# EAGLE board Mk4 Final a Panel score 2x5 (EAGLE 9.0.1), part 27 of 29 (continued)
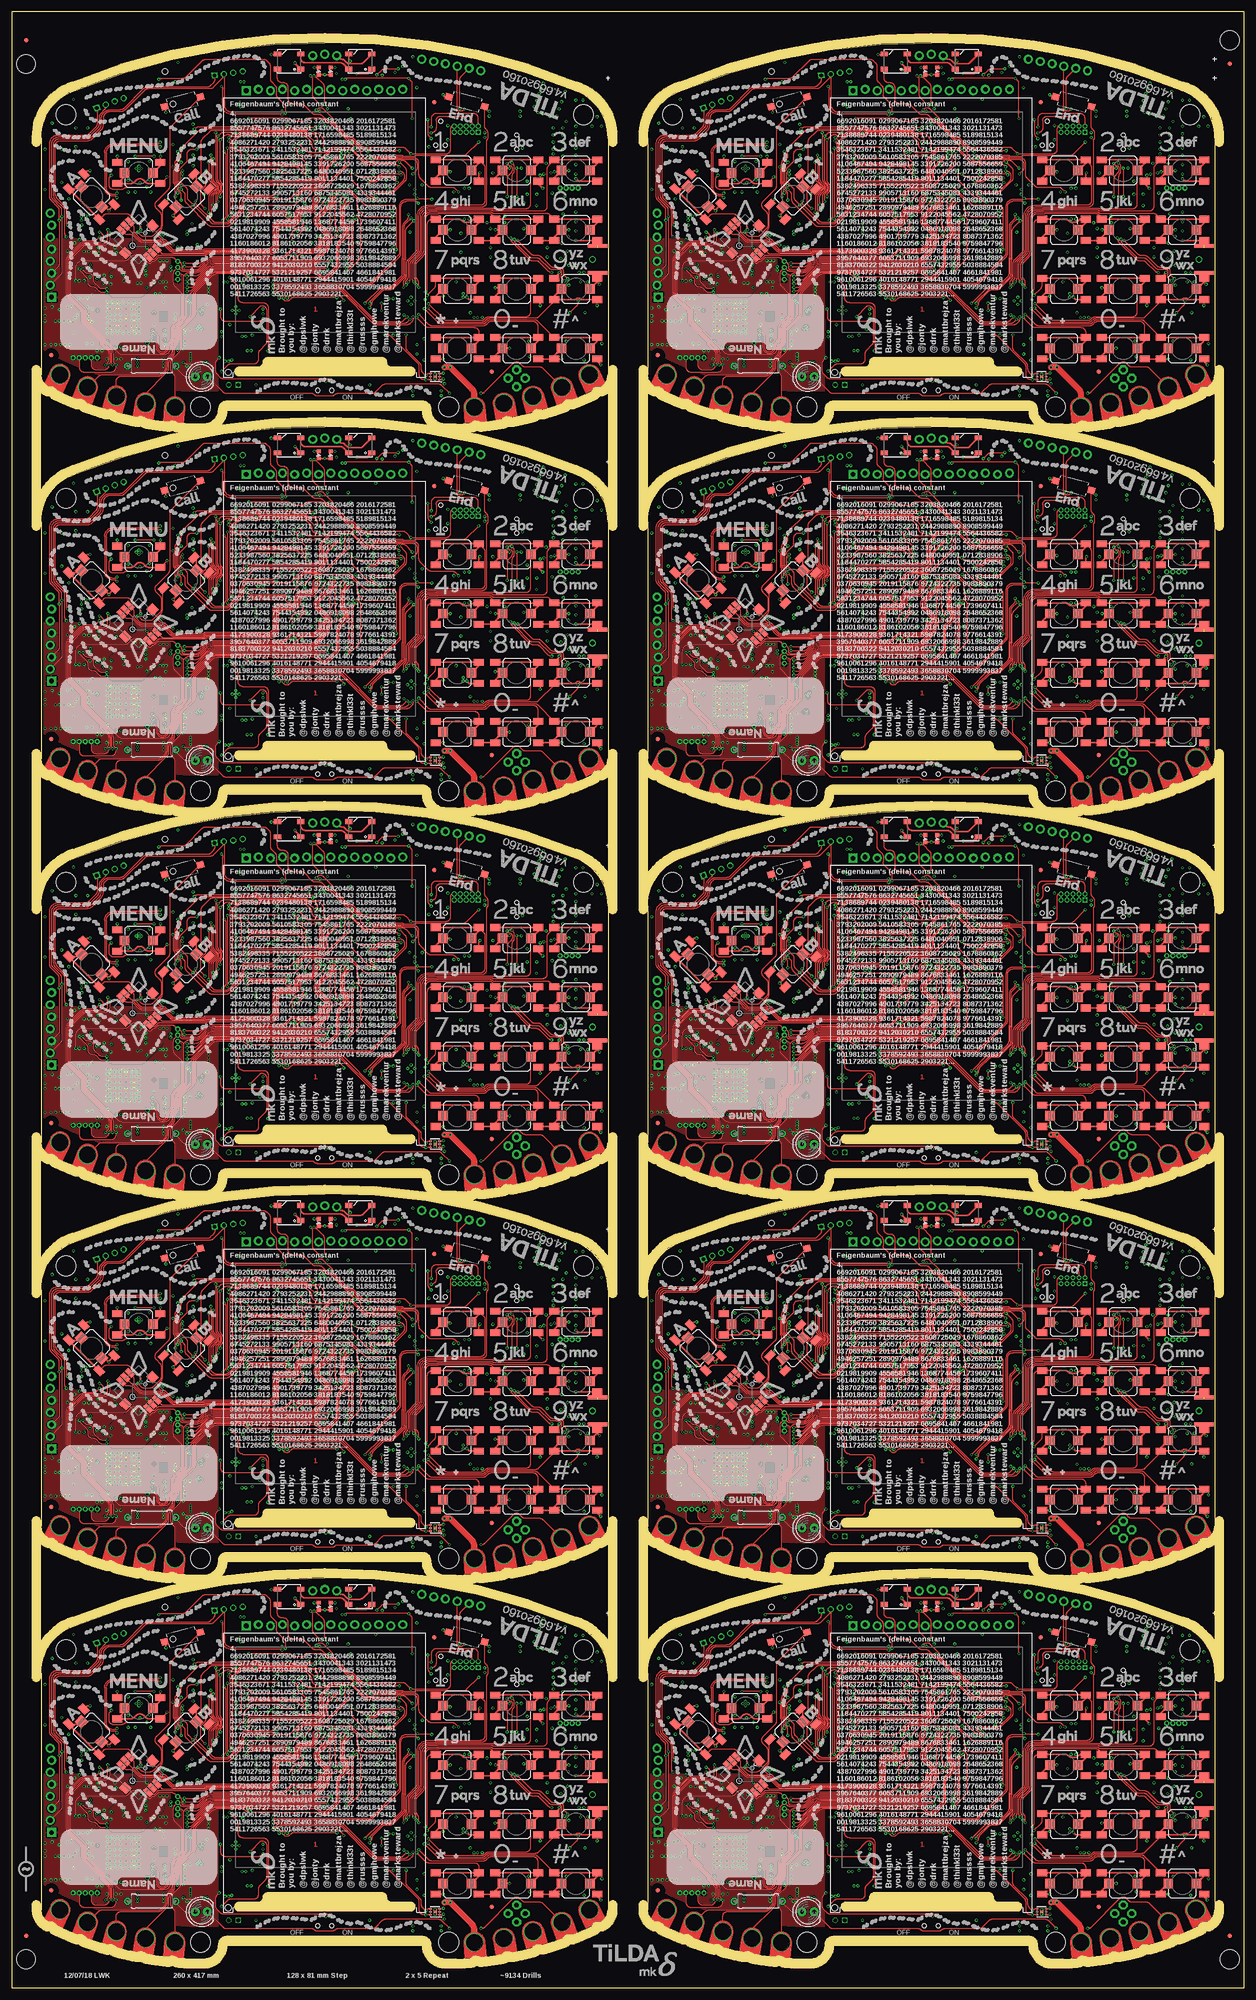
[diagram p0: board, top side]
## Tracks (layer width: path | path; a pad name or v marks a point on that pad's centre or on a via) (continued)
  3V3@2 0.15: v142.7,130.8 v138.55,130.8 | v163.7,124.35 163.7,122.3 164.4,121.6 v164.4,121
  Bottom 0.15: v192.65,126.7 192.73,126.78 arc45 192.88,127.13 192.88,128.22 arc45 192.73,128.57 192.5,128.8 arc-45 192.35,129.16 192.35,130.34 arc-45 192.64,131.04 192.85,131.25 arc45 193,131.61 IC56.19 | v165.2,113.1 165.41,113.31 arc45 165.7,114.01 165.7,118.29 arc45 165.41,118.99 165.09,119.31 arc45 164.39,119.6 164.3,119.6 arc-90 163.8,120.1 163.8,120.5 arc-90 164.3,121 v164.4,121 | v142.7,130.8 142.91,130.59 arc45 143.61,130.3 154.43,130.3 arc-45 155.32,129.93 156.91,128.34 arc45 157.97,127.9 160.95,127.9 arc-90 162.2,126.65 162.2,126.2 arc45 162.36,125.82 163.61,124.56 arc-45 v163.7,124.35
  Bottom 0.3: J36.6 J36.2
UART4_EXT_TX4  (via drill 0.3)
  Top 0.15: PCB4.CH4 18.29,178.11 arc-45 19,178.4 30.86,178.4 arc45 31.57,178.69 32.26,179.38 arc45 32.55,180.09 32.55,180.95 arc-45 33.06,182.19 33.51,182.63 arc45 33.8,183.34 33.8,183.88 arc-45 34.24,184.94 arc45 34.7,186.05 34.7,187.57 arc-45 35.21,188.81 36.39,189.99 arc45 36.9,191.22 36.9,193.39 arc-45 v37.19,194.09 v37.2,194.1 | v64.65,207.7 64.75,207.6 arc-45 64.9,207.24 64.9,206.39 arc-45 64.61,205.68 64.22,205.29 arc-45 63.51,205 59.57,205 arc45 58.68,204.63 57.64,203.59 arc-45 56.94,203.3 42.74,203.3 arc45 40.19,202.3 40.18,202.29 arc-45 39.47,202 v36.4,202
  Top 0.2: J46.2 19.81,235.03 arc-45 19.52,234.32 18.94,233.74 arc45 18.5,232.68 18.5,231.42 arc-45 18.13,230.53 16.57,228.97 arc-45 15.68,228.6 9.9,228.6 arc90 8.4,227.1 8.4,216.06 arc45 8.69,215.36 10.26,213.79 arc-45 10.55,213.09 v10.55,211.8 10.55,200.13 arc-45 10.26,199.42 JP44.2
  3V3@2 0.15: v14.7,211.8 v10.55,211.8 | v35.7,205.35 35.7,203.3 36.4,202.6 v36.4,202
  Bottom 0.15: v64.65,207.7 64.73,207.78 arc45 64.88,208.13 64.88,209.22 arc45 64.73,209.57 64.5,209.8 arc-45 64.35,210.16 64.35,211.34 arc-45 64.64,212.04 64.85,212.25 arc45 65,212.61 IC74.19 | v37.2,194.1 37.41,194.31 arc45 37.7,195.01 37.7,199.29 arc45 37.41,199.99 37.09,200.31 arc45 36.39,200.6 36.3,200.6 arc-90 35.8,201.1 35.8,201.5 arc-90 36.3,202 v36.4,202 | v14.7,211.8 14.91,211.59 arc45 15.61,211.3 26.43,211.3 arc-45 27.32,210.93 28.91,209.34 arc45 29.97,208.9 32.95,208.9 arc-90 34.2,207.65 34.2,207.2 arc45 34.36,206.82 35.61,205.56 arc-45 v35.7,205.35
  Bottom 0.3: J46.6 J46.2
UART4_EXT_TX5  (via drill 0.3)
  Top 0.15: PCB5.CH4 146.29,178.11 arc-45 147,178.4 158.86,178.4 arc45 159.57,178.69 160.26,179.38 arc45 160.55,180.09 160.55,180.95 arc-45 161.06,182.19 161.51,182.63 arc45 161.8,183.34 161.8,183.88 arc-45 162.24,184.94 arc45 162.7,186.05 162.7,187.57 arc-45 163.21,188.81 164.39,189.99 arc45 164.9,191.22 164.9,193.39 arc-45 v165.19,194.09 v165.2,194.1 | v192.65,207.7 192.75,207.6 arc-45 192.9,207.24 192.9,206.39 arc-45 192.61,205.68 192.22,205.29 arc-45 191.51,205 187.57,205 arc45 186.68,204.63 185.64,203.59 arc-45 184.94,203.3 170.74,203.3 arc45 168.19,202.3 168.18,202.29 arc-45 167.47,202 v164.4,202
  Top 0.2: J56.2 147.81,235.03 arc-45 147.52,234.32 146.94,233.74 arc45 146.5,232.68 146.5,231.42 arc-45 146.13,230.53 144.57,228.97 arc-45 143.68,228.6 137.9,228.6 arc90 136.4,227.1 136.4,216.06 arc45 136.69,215.36 138.26,213.79 arc-45 138.55,213.09 v138.55,211.8 138.55,200.13 arc-45 138.26,199.42 JP53.2
  3V3@2 0.15: v142.7,211.8 v138.55,211.8 | v163.7,205.35 163.7,203.3 164.4,202.6 v164.4,202
  Bottom 0.15: v192.65,207.7 192.73,207.78 arc45 192.88,208.13 192.88,209.22 arc45 192.73,209.57 192.5,209.8 arc-45 192.35,210.16 192.35,211.34 arc-45 192.64,212.04 192.85,212.25 arc45 193,212.61 IC92.19 | v165.2,194.1 165.41,194.31 arc45 165.7,195.01 165.7,199.29 arc45 165.41,199.99 165.09,200.31 arc45 164.39,200.6 164.3,200.6 arc-90 163.8,201.1 163.8,201.5 arc-90 164.3,202 v164.4,202 | v142.7,211.8 142.91,211.59 arc45 143.61,211.3 154.43,211.3 arc-45 155.32,210.93 156.91,209.34 arc45 157.97,208.9 160.95,208.9 arc-90 162.2,207.65 162.2,207.2 arc45 162.36,206.82 163.61,205.56 arc-45 v163.7,205.35
  Bottom 0.3: J56.6 J56.2
UART4_EXT_TX6  (via drill 0.3)
  Top 0.15: PCB6.CH4 18.29,259.11 arc-45 19,259.4 30.86,259.4 arc45 31.57,259.69 32.26,260.38 arc45 32.55,261.09 32.55,261.95 arc-45 33.06,263.19 33.51,263.63 arc45 33.8,264.34 33.8,264.88 arc-45 34.24,265.94 arc45 34.7,267.05 34.7,268.57 arc-45 35.21,269.81 36.39,270.99 arc45 36.9,272.23 36.9,274.39 arc-45 v37.19,275.09 v37.2,275.1 | v64.65,288.7 64.75,288.6 arc-45 64.9,288.24 64.9,287.39 arc-45 64.61,286.68 64.22,286.29 arc-45 63.51,286 59.57,286 arc45 58.68,285.63 57.64,284.59 arc-45 56.94,284.3 42.74,284.3 arc45 40.19,283.3 40.18,283.29 arc-45 39.47,283 v36.4,283
  Top 0.2: J66.2 19.81,316.02 arc-45 19.52,315.32 18.94,314.74 arc45 18.5,313.68 18.5,312.42 arc-45 18.13,311.53 16.57,309.97 arc-45 15.68,309.6 9.9,309.6 arc90 8.4,308.1 8.4,297.06 arc45 8.69,296.36 10.26,294.79 arc-45 10.55,294.09 v10.55,292.8 10.55,281.13 arc-45 10.26,280.42 JP62.2
  3V3@2 0.15: v14.7,292.8 v10.55,292.8 | v35.7,286.35 35.7,284.3 36.4,283.6 v36.4,283
  Bottom 0.15: v64.65,288.7 64.73,288.78 arc45 64.88,289.13 64.88,290.22 arc45 64.73,290.57 64.5,290.8 arc-45 64.35,291.16 64.35,292.34 arc-45 64.64,293.04 64.85,293.25 arc45 65,293.61 IC110.19 | v37.2,275.1 37.41,275.31 arc45 37.7,276.01 37.7,280.29 arc45 37.41,280.99 37.09,281.31 arc45 36.39,281.6 36.3,281.6 arc-90 35.8,282.1 35.8,282.5 arc-90 36.3,283 v36.4,283 | v14.7,292.8 14.91,292.59 arc45 15.61,292.3 26.43,292.3 arc-45 27.32,291.93 28.91,290.34 arc45 29.97,289.9 32.95,289.9 arc-90 34.2,288.65 34.2,288.2 arc45 34.36,287.82 35.61,286.56 arc-45 v35.7,286.35
  Bottom 0.3: J66.6 J66.2
UART4_EXT_TX7  (via drill 0.3)
  Top 0.15: PCB7.CH4 146.29,259.11 arc-45 147,259.4 158.86,259.4 arc45 159.57,259.69 160.26,260.38 arc45 160.55,261.09 160.55,261.95 arc-45 161.06,263.19 161.51,263.63 arc45 161.8,264.34 161.8,264.88 arc-45 162.24,265.94 arc45 162.7,267.05 162.7,268.57 arc-45 163.21,269.81 164.39,270.99 arc45 164.9,272.23 164.9,274.39 arc-45 v165.19,275.09 v165.2,275.1 | v192.65,288.7 192.75,288.6 arc-45 192.9,288.24 192.9,287.39 arc-45 192.61,286.68 192.22,286.29 arc-45 191.51,286 187.57,286 arc45 186.68,285.63 185.64,284.59 arc-45 184.94,284.3 170.74,284.3 arc45 168.19,283.3 168.18,283.29 arc-45 167.47,283 v164.4,283
  Top 0.2: J76.2 147.81,316.02 arc-45 147.52,315.32 146.94,314.74 arc45 146.5,313.68 146.5,312.42 arc-45 146.13,311.53 144.57,309.97 arc-45 143.68,309.6 137.9,309.6 arc90 136.4,308.1 136.4,297.06 arc45 136.69,296.36 138.26,294.79 arc-45 138.55,294.09 v138.55,292.8 138.55,281.13 arc-45 138.26,280.42 JP71.2
  3V3@2 0.15: v142.7,292.8 v138.55,292.8 | v163.7,286.35 163.7,284.3 164.4,283.6 v164.4,283
  Bottom 0.15: v192.65,288.7 192.73,288.78 arc45 192.88,289.13 192.88,290.22 arc45 192.73,290.57 192.5,290.8 arc-45 192.35,291.16 192.35,292.34 arc-45 192.64,293.04 192.85,293.25 arc45 193,293.61 IC128.19 | v165.2,275.1 165.41,275.31 arc45 165.7,276.01 165.7,280.29 arc45 165.41,280.99 165.09,281.31 arc45 164.39,281.6 164.3,281.6 arc-90 163.8,282.1 163.8,282.5 arc-90 164.3,283 v164.4,283 | v142.7,292.8 142.91,292.59 arc45 143.61,292.3 154.43,292.3 arc-45 155.32,291.93 156.91,290.34 arc45 157.97,289.9 160.95,289.9 arc-90 162.2,288.65 162.2,288.2 arc45 162.36,287.82 163.61,286.56 arc-45 v163.7,286.35
  Bottom 0.3: J76.6 J76.2
UART4_EXT_TX8  (via drill 0.3)
  Top 0.15: PCB8.CH4 18.29,340.11 arc-45 19,340.4 30.86,340.4 arc45 31.57,340.69 32.26,341.38 arc45 32.55,342.09 32.55,342.95 arc-45 33.06,344.19 33.51,344.63 arc45 33.8,345.34 33.8,345.88 arc-45 34.24,346.94 arc45 34.7,348.05 34.7,349.57 arc-45 35.21,350.81 36.39,351.99 arc45 36.9,353.23 36.9,355.39 arc-45 v37.19,356.09 v37.2,356.1 | v64.65,369.7 64.75,369.6 arc-45 64.9,369.24 64.9,368.39 arc-45 64.61,367.68 64.22,367.29 arc-45 63.51,367 59.57,367 arc45 58.68,366.63 57.64,365.59 arc-45 56.94,365.3 42.74,365.3 arc45 40.19,364.3 40.18,364.29 arc-45 39.47,364 v36.4,364
  Top 0.2: J86.2 19.81,397.02 arc-45 19.52,396.32 18.94,395.74 arc45 18.5,394.68 18.5,393.42 arc-45 18.13,392.53 16.57,390.97 arc-45 15.68,390.6 9.9,390.6 arc90 8.4,389.1 8.4,378.06 arc45 8.69,377.36 10.26,375.79 arc-45 10.55,375.09 v10.55,373.8 10.55,362.13 arc-45 10.26,361.42 JP80.2
  3V3@2 0.15: v14.7,373.8 v10.55,373.8 | v35.7,367.35 35.7,365.3 36.4,364.6 v36.4,364
  Bottom 0.15: v64.65,369.7 64.73,369.78 arc45 64.88,370.13 64.88,371.22 arc45 64.73,371.57 64.5,371.8 arc-45 64.35,372.16 64.35,373.34 arc-45 64.64,374.04 64.85,374.25 arc45 65,374.61 IC146.19 | v37.2,356.1 37.41,356.31 arc45 37.7,357.01 37.7,361.29 arc45 37.41,361.99 37.09,362.31 arc45 36.39,362.6 36.3,362.6 arc-90 35.8,363.1 35.8,363.5 arc-90 36.3,364 v36.4,364 | v14.7,373.8 14.91,373.59 arc45 15.61,373.3 26.43,373.3 arc-45 27.32,372.93 28.91,371.34 arc45 29.97,370.9 32.95,370.9 arc-90 34.2,369.65 34.2,369.2 arc45 34.36,368.82 35.61,367.56 arc-45 v35.7,367.35
  Bottom 0.3: J86.6 J86.2
UART4_EXT_TX9  (via drill 0.3)
  Top 0.15: PCB9.CH4 146.29,340.11 arc-45 147,340.4 158.86,340.4 arc45 159.57,340.69 160.26,341.38 arc45 160.55,342.09 160.55,342.95 arc-45 161.06,344.19 161.51,344.63 arc45 161.8,345.34 161.8,345.88 arc-45 162.24,346.94 arc45 162.7,348.05 162.7,349.57 arc-45 163.21,350.81 164.39,351.99 arc45 164.9,353.23 164.9,355.39 arc-45 v165.19,356.09 v165.2,356.1 | v192.65,369.7 192.75,369.6 arc-45 192.9,369.24 192.9,368.39 arc-45 192.61,367.68 192.22,367.29 arc-45 191.51,367 187.57,367 arc45 186.68,366.63 185.64,365.59 arc-45 184.94,365.3 170.74,365.3 arc45 168.19,364.3 168.18,364.29 arc-45 167.47,364 v164.4,364
  Top 0.2: J96.2 147.81,397.02 arc-45 147.52,396.32 146.94,395.74 arc45 146.5,394.68 146.5,393.42 arc-45 146.13,392.53 144.57,390.97 arc-45 143.68,390.6 137.9,390.6 arc90 136.4,389.1 136.4,378.06 arc45 136.69,377.36 138.26,375.79 arc-45 138.55,375.09 v138.55,373.8 138.55,362.13 arc-45 138.26,361.42 JP89.2
  3V3@2 0.15: v142.7,373.8 v138.55,373.8 | v163.7,367.35 163.7,365.3 164.4,364.6 v164.4,364
  Bottom 0.15: v192.65,369.7 192.73,369.78 arc45 192.88,370.13 192.88,371.22 arc45 192.73,371.57 192.5,371.8 arc-45 192.35,372.16 192.35,373.34 arc-45 192.64,374.04 192.85,374.25 arc45 193,374.61 IC164.19 | v165.2,356.1 165.41,356.31 arc45 165.7,357.01 165.7,361.29 arc45 165.41,361.99 165.09,362.31 arc45 164.39,362.6 164.3,362.6 arc-90 163.8,363.1 163.8,363.5 arc-90 164.3,364 v164.4,364 | v142.7,373.8 142.91,373.59 arc45 143.61,373.3 154.43,373.3 arc-45 155.32,372.93 156.91,371.34 arc45 157.97,370.9 160.95,370.9 arc-90 162.2,369.65 162.2,369.2 arc45 162.36,368.82 163.61,367.56 arc-45 v163.7,367.35
  Bottom 0.3: J96.6 J96.2
USB_D_N
  Bottom 0.2: IC7.1 81.75,79
  Bottom 0.25: 81.75,79 82.26,78.49 arc45 82.96,78.2 83.64,78.2 arc45 84.34,78.49 84.95,79.1 85.15,79.1 | IC1.93 71,68.2 arc-90 72.8,70 80.65,70 arc90 81.65,71 81.65,72.85 arc-90 83.5,74.7 85.5,74.7 arc90 86.8,76 86.8,77.75 arc90 85.4,79.15 85.2,79.15 | U1.D- 75.55,80.25 75.6,80.2 75.6,79.53 arc45 75.89,78.82 76.12,78.59 arc45 76.83,78.3 79.07,78.3 arc45 79.78,78.59 79.99,78.81 arc-45 80.7,79.1 81,79.1 81.1,79 IC7.1 | 85.2,79.15 85.15,79.1 | 85.2,79.15 arc90 85.15,79.1
USB_D_N1
  Bottom 0.2: IC23.1 209.75,79
  Bottom 0.25: 209.75,79 210.26,78.49 arc45 210.96,78.2 211.64,78.2 arc45 212.34,78.49 212.95,79.1 213.15,79.1 | IC20.93 199,68.2 arc-90 200.8,70 208.65,70 arc90 209.65,71 209.65,72.85 arc-90 211.5,74.7 213.5,74.7 arc90 214.8,76 214.8,77.75 arc90 213.4,79.15 213.2,79.15 | U2.D- 203.55,80.25 203.6,80.2 203.6,79.53 arc45 203.89,78.82 204.12,78.59 arc45 204.83,78.3 207.07,78.3 arc45 207.78,78.59 207.99,78.81 arc-45 208.7,79.1 209,79.1 209.1,79 IC23.1 | 213.2,79.15 213.15,79.1 | 213.2,79.15 arc90 213.15,79.1
USB_D_N2
  Bottom 0.2: IC41.1 81.75,160
  Bottom 0.25: 81.75,160 82.26,159.49 arc45 82.96,159.2 83.64,159.2 arc45 84.34,159.49 84.95,160.1 85.15,160.1 | IC38.93 71,149.2 arc-90 72.8,151 80.65,151 arc90 81.65,152 81.65,153.85 arc-90 83.5,155.7 85.5,155.7 arc90 86.8,157 86.8,158.75 arc90 85.4,160.15 85.2,160.15 | U7.D- 75.55,161.25 75.6,161.2 75.6,160.53 arc45 75.89,159.82 76.12,159.59 arc45 76.83,159.3 79.07,159.3 arc45 79.78,159.59 79.99,159.81 arc-45 80.7,160.1 81,160.1 81.1,160 IC41.1 | 85.2,160.15 85.15,160.1 | 85.2,160.15 arc90 85.15,160.1
USB_D_N3
  Bottom 0.2: IC59.1 209.75,160
  Bottom 0.25: 209.75,160 210.26,159.49 arc45 210.96,159.2 211.64,159.2 arc45 212.34,159.49 212.95,160.1 213.15,160.1 | IC56.93 199,149.2 arc-90 200.8,151 208.65,151 arc90 209.65,152 209.65,153.85 arc-90 211.5,155.7 213.5,155.7 arc90 214.8,157 214.8,158.75 arc90 213.4,160.15 213.2,160.15 | U10.D- 203.55,161.25 203.6,161.2 203.6,160.53 arc45 203.89,159.82 204.12,159.59 arc45 204.83,159.3 207.07,159.3 arc45 207.78,159.59 207.99,159.81 arc-45 208.7,160.1 209,160.1 209.1,160 IC59.1 | 213.2,160.15 213.15,160.1 | 213.2,160.15 arc90 213.15,160.1
USB_D_N4
  Bottom 0.2: IC77.1 81.75,241
  Bottom 0.25: 81.75,241 82.26,240.49 arc45 82.96,240.2 83.64,240.2 arc45 84.34,240.49 84.95,241.1 85.15,241.1 | IC74.93 71,230.2 arc-90 72.8,232 80.65,232 arc90 81.65,233 81.65,234.85 arc-90 83.5,236.7 85.5,236.7 arc90 86.8,238 86.8,239.75 arc90 85.4,241.15 85.2,241.15 | U13.D- 75.55,242.25 75.6,242.2 75.6,241.53 arc45 75.89,240.82 76.12,240.59 arc45 76.83,240.3 79.07,240.3 arc45 79.78,240.59 79.99,240.81 arc-45 80.7,241.1 81,241.1 81.1,241 IC77.1 | 85.2,241.15 85.15,241.1 | 85.2,241.15 arc90 85.15,241.1
USB_D_N5
  Bottom 0.2: IC95.1 209.75,241
  Bottom 0.25: 209.75,241 210.26,240.49 arc45 210.96,240.2 211.64,240.2 arc45 212.34,240.49 212.95,241.1 213.15,241.1 | IC92.93 199,230.2 arc-90 200.8,232 208.65,232 arc90 209.65,233 209.65,234.85 arc-90 211.5,236.7 213.5,236.7 arc90 214.8,238 214.8,239.75 arc90 213.4,241.15 213.2,241.15 | U16.D- 203.55,242.25 203.6,242.2 203.6,241.53 arc45 203.89,240.82 204.12,240.59 arc45 204.83,240.3 207.07,240.3 arc45 207.78,240.59 207.99,240.81 arc-45 208.7,241.1 209,241.1 209.1,241 IC95.1 | 213.2,241.15 213.15,241.1 | 213.2,241.15 arc90 213.15,241.1
USB_D_N6
  Bottom 0.2: IC113.1 81.75,322
  Bottom 0.25: 81.75,322 82.26,321.49 arc45 82.96,321.2 83.64,321.2 arc45 84.34,321.49 84.95,322.1 85.15,322.1 | IC110.93 71,311.2 arc-90 72.8,313 80.65,313 arc90 81.65,314 81.65,315.85 arc-90 83.5,317.7 85.5,317.7 arc90 86.8,319 86.8,320.75 arc90 85.4,322.15 85.2,322.15 | U19.D- 75.55,323.25 75.6,323.2 75.6,322.53 arc45 75.89,321.82 76.12,321.59 arc45 76.83,321.3 79.07,321.3 arc45 79.78,321.59 79.99,321.81 arc-45 80.7,322.1 81,322.1 81.1,322 IC113.1 | 85.2,322.15 85.15,322.1 | 85.2,322.15 arc90 85.15,322.1
USB_D_N7
  Bottom 0.2: IC131.1 209.75,322
  Bottom 0.25: 209.75,322 210.26,321.49 arc45 210.96,321.2 211.64,321.2 arc45 212.34,321.49 212.95,322.1 213.15,322.1 | IC128.93 199,311.2 arc-90 200.8,313 208.65,313 arc90 209.65,314 209.65,315.85 arc-90 211.5,317.7 213.5,317.7 arc90 214.8,319 214.8,320.75 arc90 213.4,322.15 213.2,322.15 | U22.D- 203.55,323.25 203.6,323.2 203.6,322.53 arc45 203.89,321.82 204.12,321.59 arc45 204.83,321.3 207.07,321.3 arc45 207.78,321.59 207.99,321.81 arc-45 208.7,322.1 209,322.1 209.1,322 IC131.1 | 213.2,322.15 213.15,322.1 | 213.2,322.15 arc90 213.15,322.1
USB_D_N8
  Bottom 0.2: IC149.1 81.75,403
  Bottom 0.25: 81.75,403 82.26,402.49 arc45 82.96,402.2 83.64,402.2 arc45 84.34,402.49 84.95,403.1 85.15,403.1 | IC146.93 71,392.2 arc-90 72.8,394 80.65,394 arc90 81.65,395 81.65,396.85 arc-90 83.5,398.7 85.5,398.7 arc90 86.8,400 86.8,401.75 arc90 85.4,403.15 85.2,403.15 | U25.D- 75.55,404.25 75.6,404.2 75.6,403.53 arc45 75.89,402.82 76.12,402.59 arc45 76.83,402.3 79.07,402.3 arc45 79.78,402.59 79.99,402.81 arc-45 80.7,403.1 81,403.1 81.1,403 IC149.1 | 85.2,403.15 85.15,403.1 | 85.2,403.15 arc90 85.15,403.1
USB_D_N9
  Bottom 0.2: IC167.1 209.75,403
  Bottom 0.25: 209.75,403 210.26,402.49 arc45 210.96,402.2 211.64,402.2 arc45 212.34,402.49 212.95,403.1 213.15,403.1 | IC164.93 199,392.2 arc-90 200.8,394 208.65,394 arc90 209.65,395 209.65,396.85 arc-90 211.5,398.7 213.5,398.7 arc90 214.8,400 214.8,401.75 arc90 213.4,403.15 213.2,403.15 | U28.D- 203.55,404.25 203.6,404.2 203.6,403.53 arc45 203.89,402.82 204.12,402.59 arc45 204.83,402.3 207.07,402.3 arc45 207.78,402.59 207.99,402.81 arc-45 208.7,403.1 209,403.1 209.1,403 IC167.1 | 213.2,403.15 213.15,403.1 | 213.2,403.15 arc90 213.15,403.1
USB_D_P
  Bottom 0.2: IC7.2 83.35,79.5 83.5,79.65
  Bottom 0.25: 83.5,79.65 85.1,79.65 85.2,79.55 85.4,79.55 arc-90 87.2,77.75 87.2,76 arc-90 85.5,74.3 83.5,74.3 arc90 82.05,72.85 82.05,71 arc-90 80.65,69.6 72.8,69.6 arc90 71.4,68.2 IC1.94 | U1.D+ 76.2,80.4 76,80.2 76,79.69 arc45 76.29,78.99 arc45 77,78.7 78.9,78.7 arc45 79.61,78.99 79.82,79.21 arc-45 80.53,79.5 IC7.2
USB_D_P1
  Bottom 0.2: IC23.2 211.35,79.5 211.5,79.65
  Bottom 0.25: 211.5,79.65 213.1,79.65 213.2,79.55 213.4,79.55 arc-90 215.2,77.75 215.2,76 arc-90 213.5,74.3 211.5,74.3 arc90 210.05,72.85 210.05,71 arc-90 208.65,69.6 200.8,69.6 arc90 199.4,68.2 IC20.94 | U2.D+ 204.2,80.4 204,80.2 204,79.69 arc45 204.29,78.99 arc45 205,78.7 206.9,78.7 arc45 207.61,78.99 207.82,79.21 arc-45 208.53,79.5 IC23.2
USB_D_P2
  Bottom 0.2: IC41.2 83.35,160.5 83.5,160.65
  Bottom 0.25: 83.5,160.65 85.1,160.65 85.2,160.55 85.4,160.55 arc-90 87.2,158.75 87.2,157 arc-90 85.5,155.3 83.5,155.3 arc90 82.05,153.85 82.05,152 arc-90 80.65,150.6 72.8,150.6 arc90 71.4,149.2 IC38.94 | U7.D+ 76.2,161.4 76,161.2 76,160.69 arc45 76.29,159.99 arc45 77,159.7 78.9,159.7 arc45 79.61,159.99 79.82,160.21 arc-45 80.53,160.5 IC41.2
USB_D_P3
  Bottom 0.2: IC59.2 211.35,160.5 211.5,160.65
  Bottom 0.25: 211.5,160.65 213.1,160.65 213.2,160.55 213.4,160.55 arc-90 215.2,158.75 215.2,157 arc-90 213.5,155.3 211.5,155.3 arc90 210.05,153.85 210.05,152 arc-90 208.65,150.6 200.8,150.6 arc90 199.4,149.2 IC56.94 | U10.D+ 204.2,161.4 204,161.2 204,160.69 arc45 204.29,159.99 arc45 205,159.7 206.9,159.7 arc45 207.61,159.99 207.82,160.21 arc-45 208.53,160.5 IC59.2
USB_D_P4
  Bottom 0.2: IC77.2 83.35,241.5 83.5,241.65
  Bottom 0.25: 83.5,241.65 85.1,241.65 85.2,241.55 85.4,241.55 arc-90 87.2,239.75 87.2,238 arc-90 85.5,236.3 83.5,236.3 arc90 82.05,234.85 82.05,233 arc-90 80.65,231.6 72.8,231.6 arc90 71.4,230.2 IC74.94 | U13.D+ 76.2,242.4 76,242.2 76,241.69 arc45 76.29,240.99 arc45 77,240.7 78.9,240.7 arc45 79.61,240.99 79.82,241.21 arc-45 80.53,241.5 IC77.2
USB_D_P5
  Bottom 0.2: IC95.2 211.35,241.5 211.5,241.65
  Bottom 0.25: 211.5,241.65 213.1,241.65 213.2,241.55 213.4,241.55 arc-90 215.2,239.75 215.2,238 arc-90 213.5,236.3 211.5,236.3 arc90 210.05,234.85 210.05,233 arc-90 208.65,231.6 200.8,231.6 arc90 199.4,230.2 IC92.94 | U16.D+ 204.2,242.4 204,242.2 204,241.69 arc45 204.29,240.99 arc45 205,240.7 206.9,240.7 arc45 207.61,240.99 207.82,241.21 arc-45 208.53,241.5 IC95.2
USB_D_P6
  Bottom 0.2: IC113.2 83.35,322.5 83.5,322.65
  Bottom 0.25: 83.5,322.65 85.1,322.65 85.2,322.55 85.4,322.55 arc-90 87.2,320.75 87.2,319 arc-90 85.5,317.3 83.5,317.3 arc90 82.05,315.85 82.05,314 arc-90 80.65,312.6 72.8,312.6 arc90 71.4,311.2 IC110.94 | U19.D+ 76.2,323.4 76,323.2 76,322.69 arc45 76.29,321.99 arc45 77,321.7 78.9,321.7 arc45 79.61,321.99 79.82,322.21 arc-45 80.53,322.5 IC113.2
USB_D_P7
  Bottom 0.2: IC131.2 211.35,322.5 211.5,322.65
  Bottom 0.25: 211.5,322.65 213.1,322.65 213.2,322.55 213.4,322.55 arc-90 215.2,320.75 215.2,319 arc-90 213.5,317.3 211.5,317.3 arc90 210.05,315.85 210.05,314 arc-90 208.65,312.6 200.8,312.6 arc90 199.4,311.2 IC128.94 | U22.D+ 204.2,323.4 204,323.2 204,322.69 arc45 204.29,321.99 arc45 205,321.7 206.9,321.7 arc45 207.61,321.99 207.82,322.21 arc-45 208.53,322.5 IC131.2
USB_D_P8
  Bottom 0.2: IC149.2 83.35,403.5 83.5,403.65
  Bottom 0.25: 83.5,403.65 85.1,403.65 85.2,403.55 85.4,403.55 arc-90 87.2,401.75 87.2,400 arc-90 85.5,398.3 83.5,398.3 arc90 82.05,396.85 82.05,395 arc-90 80.65,393.6 72.8,393.6 arc90 71.4,392.2 IC146.94 | U25.D+ 76.2,404.4 76,404.2 76,403.69 arc45 76.29,402.99 arc45 77,402.7 78.9,402.7 arc45 79.61,402.99 79.82,403.21 arc-45 80.53,403.5 IC149.2
USB_D_P9
  Bottom 0.2: IC167.2 211.35,403.5 211.5,403.65
  Bottom 0.25: 211.5,403.65 213.1,403.65 213.2,403.55 213.4,403.55 arc-90 215.2,401.75 215.2,400 arc-90 213.5,398.3 211.5,398.3 arc90 210.05,396.85 210.05,395 arc-90 208.65,393.6 200.8,393.6 arc90 199.4,392.2 IC164.94 | U28.D+ 204.2,404.4 204,404.2 204,403.69 arc45 204.29,402.99 arc45 205,402.7 206.9,402.7 arc45 207.61,402.99 207.82,403.21 arc-45 208.53,403.5 IC167.2
USB_ID
  Bottom 0.15: TP6.TP 84.46,81.54 arc-45 84.75,80.84 R8.2
USB_ID1
  Bottom 0.15: TP25.TP 212.46,81.54 arc-45 212.75,80.84 R92.2
USB_ID2
  Bottom 0.15: TP44.TP 84.46,162.54 arc-45 84.75,161.84 R170.2
USB_ID3
  Bottom 0.15: TP63.TP 212.46,162.54 arc-45 212.75,161.84 R248.2
USB_ID4
  Bottom 0.15: TP82.TP 84.46,243.54 arc-45 84.75,242.84 R326.2
USB_ID5
  Bottom 0.15: TP101.TP 212.46,243.54 arc-45 212.75,242.84 R404.2
USB_ID6
  Bottom 0.15: TP120.TP 84.46,324.54 arc-45 84.75,323.84 R482.2
USB_ID7
  Bottom 0.15: TP139.TP 212.46,324.54 arc-45 212.75,323.84 R560.2
USB_ID8
  Bottom 0.15: TP158.TP 84.46,405.54 arc-45 84.75,404.84 R638.2
USB_ID9
  Bottom 0.15: TP177.TP 212.46,405.54 arc-45 212.75,404.84 R716.2
USB_ID_R  (via drill 0.3)
  Top 0.15: v77,79.7 78.01,80.71 arc-45 78.71,81 v81.5,81
  Bottom 0.15: v81.5,81 81.65,81 82.65,80 IC7.4 83.42,80.5 R8.1 | U1.ID 76.85,79.85 v77,79.7
USB_ID_R1  (via drill 0.3)
  Top 0.15: v205,79.7 206.01,80.71 arc-45 206.71,81 v209.5,81
  Bottom 0.15: v209.5,81 209.65,81 210.65,80 IC23.4 211.43,80.5 R92.1 | U2.ID 204.85,79.85 v205,79.7
USB_ID_R2  (via drill 0.3)
  Top 0.15: v77,160.7 78.01,161.71 arc-45 78.71,162 v81.5,162
  Bottom 0.15: v81.5,162 81.65,162 82.65,161 IC41.4 83.42,161.5 R170.1 | U7.ID 76.85,160.85 v77,160.7
USB_ID_R3  (via drill 0.3)
  Top 0.15: v205,160.7 206.01,161.71 arc-45 206.71,162 v209.5,162
  Bottom 0.15: v209.5,162 209.65,162 210.65,161 IC59.4 211.43,161.5 R248.1 | U10.ID 204.85,160.85 v205,160.7
USB_ID_R4  (via drill 0.3)
  Top 0.15: v77,241.7 78.01,242.71 arc-45 78.71,243 v81.5,243
  Bottom 0.15: v81.5,243 81.65,243 82.65,242 IC77.4 83.42,242.5 R326.1 | U13.ID 76.85,241.85 v77,241.7
USB_ID_R5  (via drill 0.3)
  Top 0.15: v205,241.7 206.01,242.71 arc-45 206.71,243 v209.5,243
  Bottom 0.15: v209.5,243 209.65,243 210.65,242 IC95.4 211.43,242.5 R404.1 | U16.ID 204.85,241.85 v205,241.7
USB_ID_R6  (via drill 0.3)
  Top 0.15: v77,322.7 78.01,323.71 arc-45 78.71,324 v81.5,324
  Bottom 0.15: v81.5,324 81.65,324 82.65,323 IC113.4 83.42,323.5 R482.1 | U19.ID 76.85,322.85 v77,322.7
USB_ID_R7  (via drill 0.3)
  Top 0.15: v205,322.7 206.01,323.71 arc-45 206.71,324 v209.5,324
  Bottom 0.15: v209.5,324 209.65,324 210.65,323 IC131.4 211.43,323.5 R560.1 | U22.ID 204.85,322.85 v205,322.7
USB_ID_R8  (via drill 0.3)
  Top 0.15: v77,403.7 78.01,404.71 arc-45 78.71,405 v81.5,405
  Bottom 0.15: v81.5,405 81.65,405 82.65,404 IC149.4 83.42,404.5 R638.1 | U25.ID 76.85,403.85 v77,403.7
USB_ID_R9  (via drill 0.3)
  Top 0.15: v205,403.7 206.01,404.71 arc-45 206.71,405 v209.5,405
  Bottom 0.15: v209.5,405 209.65,405 210.65,404 IC167.4 211.43,404.5 R716.1 | U28.ID 204.85,403.85 v205,403.7
USB_SHIELD
  Bottom 0.3: U1.SHIELD@5 80.1,81.91 arc45 80.39,82.61 U1.SHIELD@2 | U1.SHIELD@2 77.84,83.72 U1.SHIELD@1 75.59,83.91 75.41,84.09 U1.SHIELD@0 74.96,84.28 U1.SHIELD@3 73.12,83.57 U1.SHIELD | R7.1 82.62,84.5 C20.2 81.04,84.38 U1.SHIELD@2
USB_SHIELD1
  Bottom 0.3: U2.SHIELD@5 208.1,81.91 arc45 208.39,82.61 U2.SHIELD@2 | U2.SHIELD@2 205.84,83.72 U2.SHIELD@1 203.59,83.91 203.41,84.09 U2.SHIELD@0 202.96,84.28 U2.SHIELD@3 201.12,83.57 U2.SHIELD | R91.1 210.62,84.5 C130.2 209.04,84.38 U2.SHIELD@2
USB_SHIELD2
  Bottom 0.3: U7.SHIELD@5 80.1,162.91 arc45 80.39,163.61 U7.SHIELD@2 | U7.SHIELD@2 77.84,164.72 U7.SHIELD@1 75.59,164.91 75.41,165.09 U7.SHIELD@0 74.96,165.28 U7.SHIELD@3 73.12,164.57 U7.SHIELD | R169.1 82.62,165.5 C238.2 81.04,165.38 U7.SHIELD@2
USB_SHIELD3
  Bottom 0.3: U10.SHIELD@5 208.1,162.91 arc45 208.39,163.61 U10.SHIELD@2 | U10.SHIELD@2 205.84,164.72 U10.SHIELD@1 203.59,164.91 203.41,165.09 U10.SHIELD@0 202.96,165.28 U10.SHIELD@3 201.12,164.57 U10.SHIELD | R247.1 210.62,165.5 C346.2 209.04,165.38 U10.SHIELD@2
USB_SHIELD4
  Bottom 0.3: U13.SHIELD@5 80.1,243.91 arc45 80.39,244.61 U13.SHIELD@2 | U13.SHIELD@2 77.84,245.72 U13.SHIELD@1 75.59,245.91 75.41,246.09 U13.SHIELD@0 74.96,246.28 U13.SHIELD@3 73.12,245.57 U13.SHIELD | R325.1 82.62,246.5 C454.2 81.04,246.38 U13.SHIELD@2
USB_SHIELD5
  Bottom 0.3: U16.SHIELD@5 208.1,243.91 arc45 208.39,244.61 U16.SHIELD@2 | U16.SHIELD@2 205.84,245.72 U16.SHIELD@1 203.59,245.91 203.41,246.09 U16.SHIELD@0 202.96,246.28 U16.SHIELD@3 201.12,245.57 U16.SHIELD | R403.1 210.62,246.5 C562.2 209.04,246.38 U16.SHIELD@2
USB_SHIELD6
  Bottom 0.3: U19.SHIELD@5 80.1,324.91 arc45 80.39,325.61 U19.SHIELD@2 | U19.SHIELD@2 77.84,326.72 U19.SHIELD@1 75.59,326.91 75.41,327.09 U19.SHIELD@0 74.96,327.28 U19.SHIELD@3 73.12,326.57 U19.SHIELD | R481.1 82.62,327.5 C670.2 81.04,327.38 U19.SHIELD@2
USB_SHIELD7